# Altium PCB Lombardo_RevB.PcbDoc (part 1 of 2)
Units mil, origin at the board's own origin, x right, y up, seen from the top; angles counter-clockwise.
Board outline 3800 x 2752 mil, 4 copper layers (Top, L2, L3, Bottom), stack 59.694 mil thick; 168 components, 76 nets, 509 pads, 409 vias.
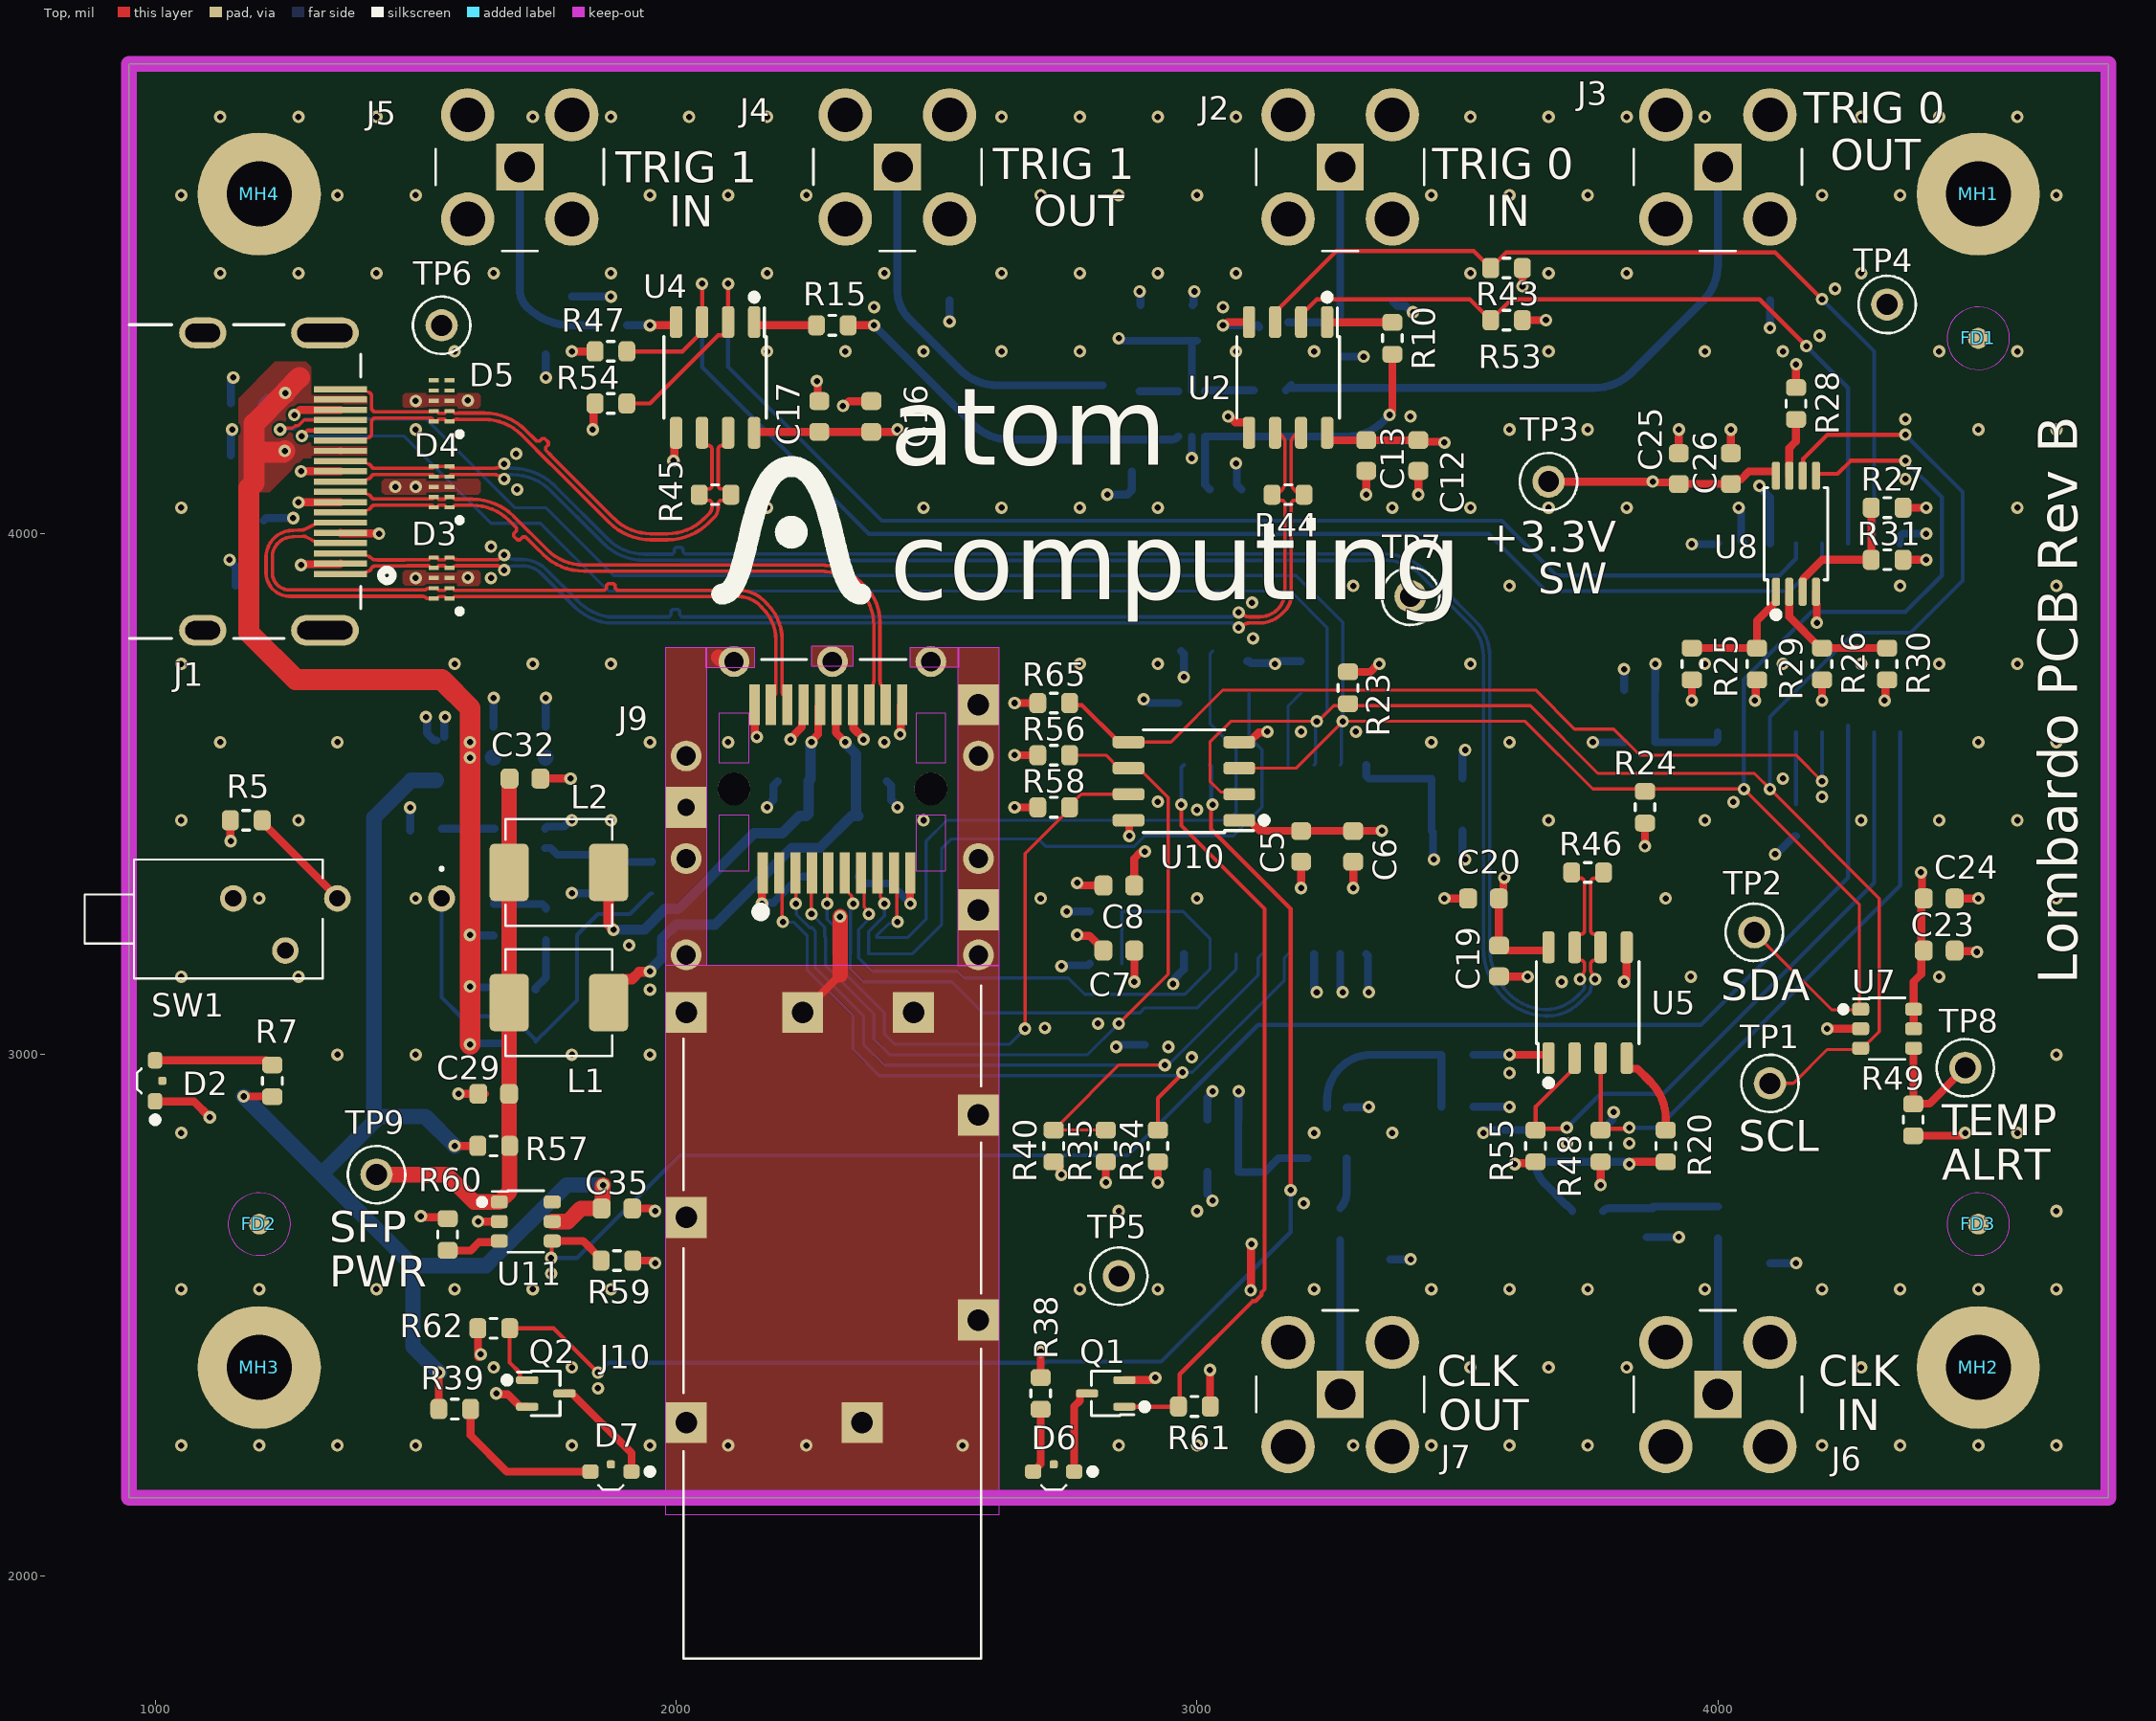
[diagram p0: Top view]
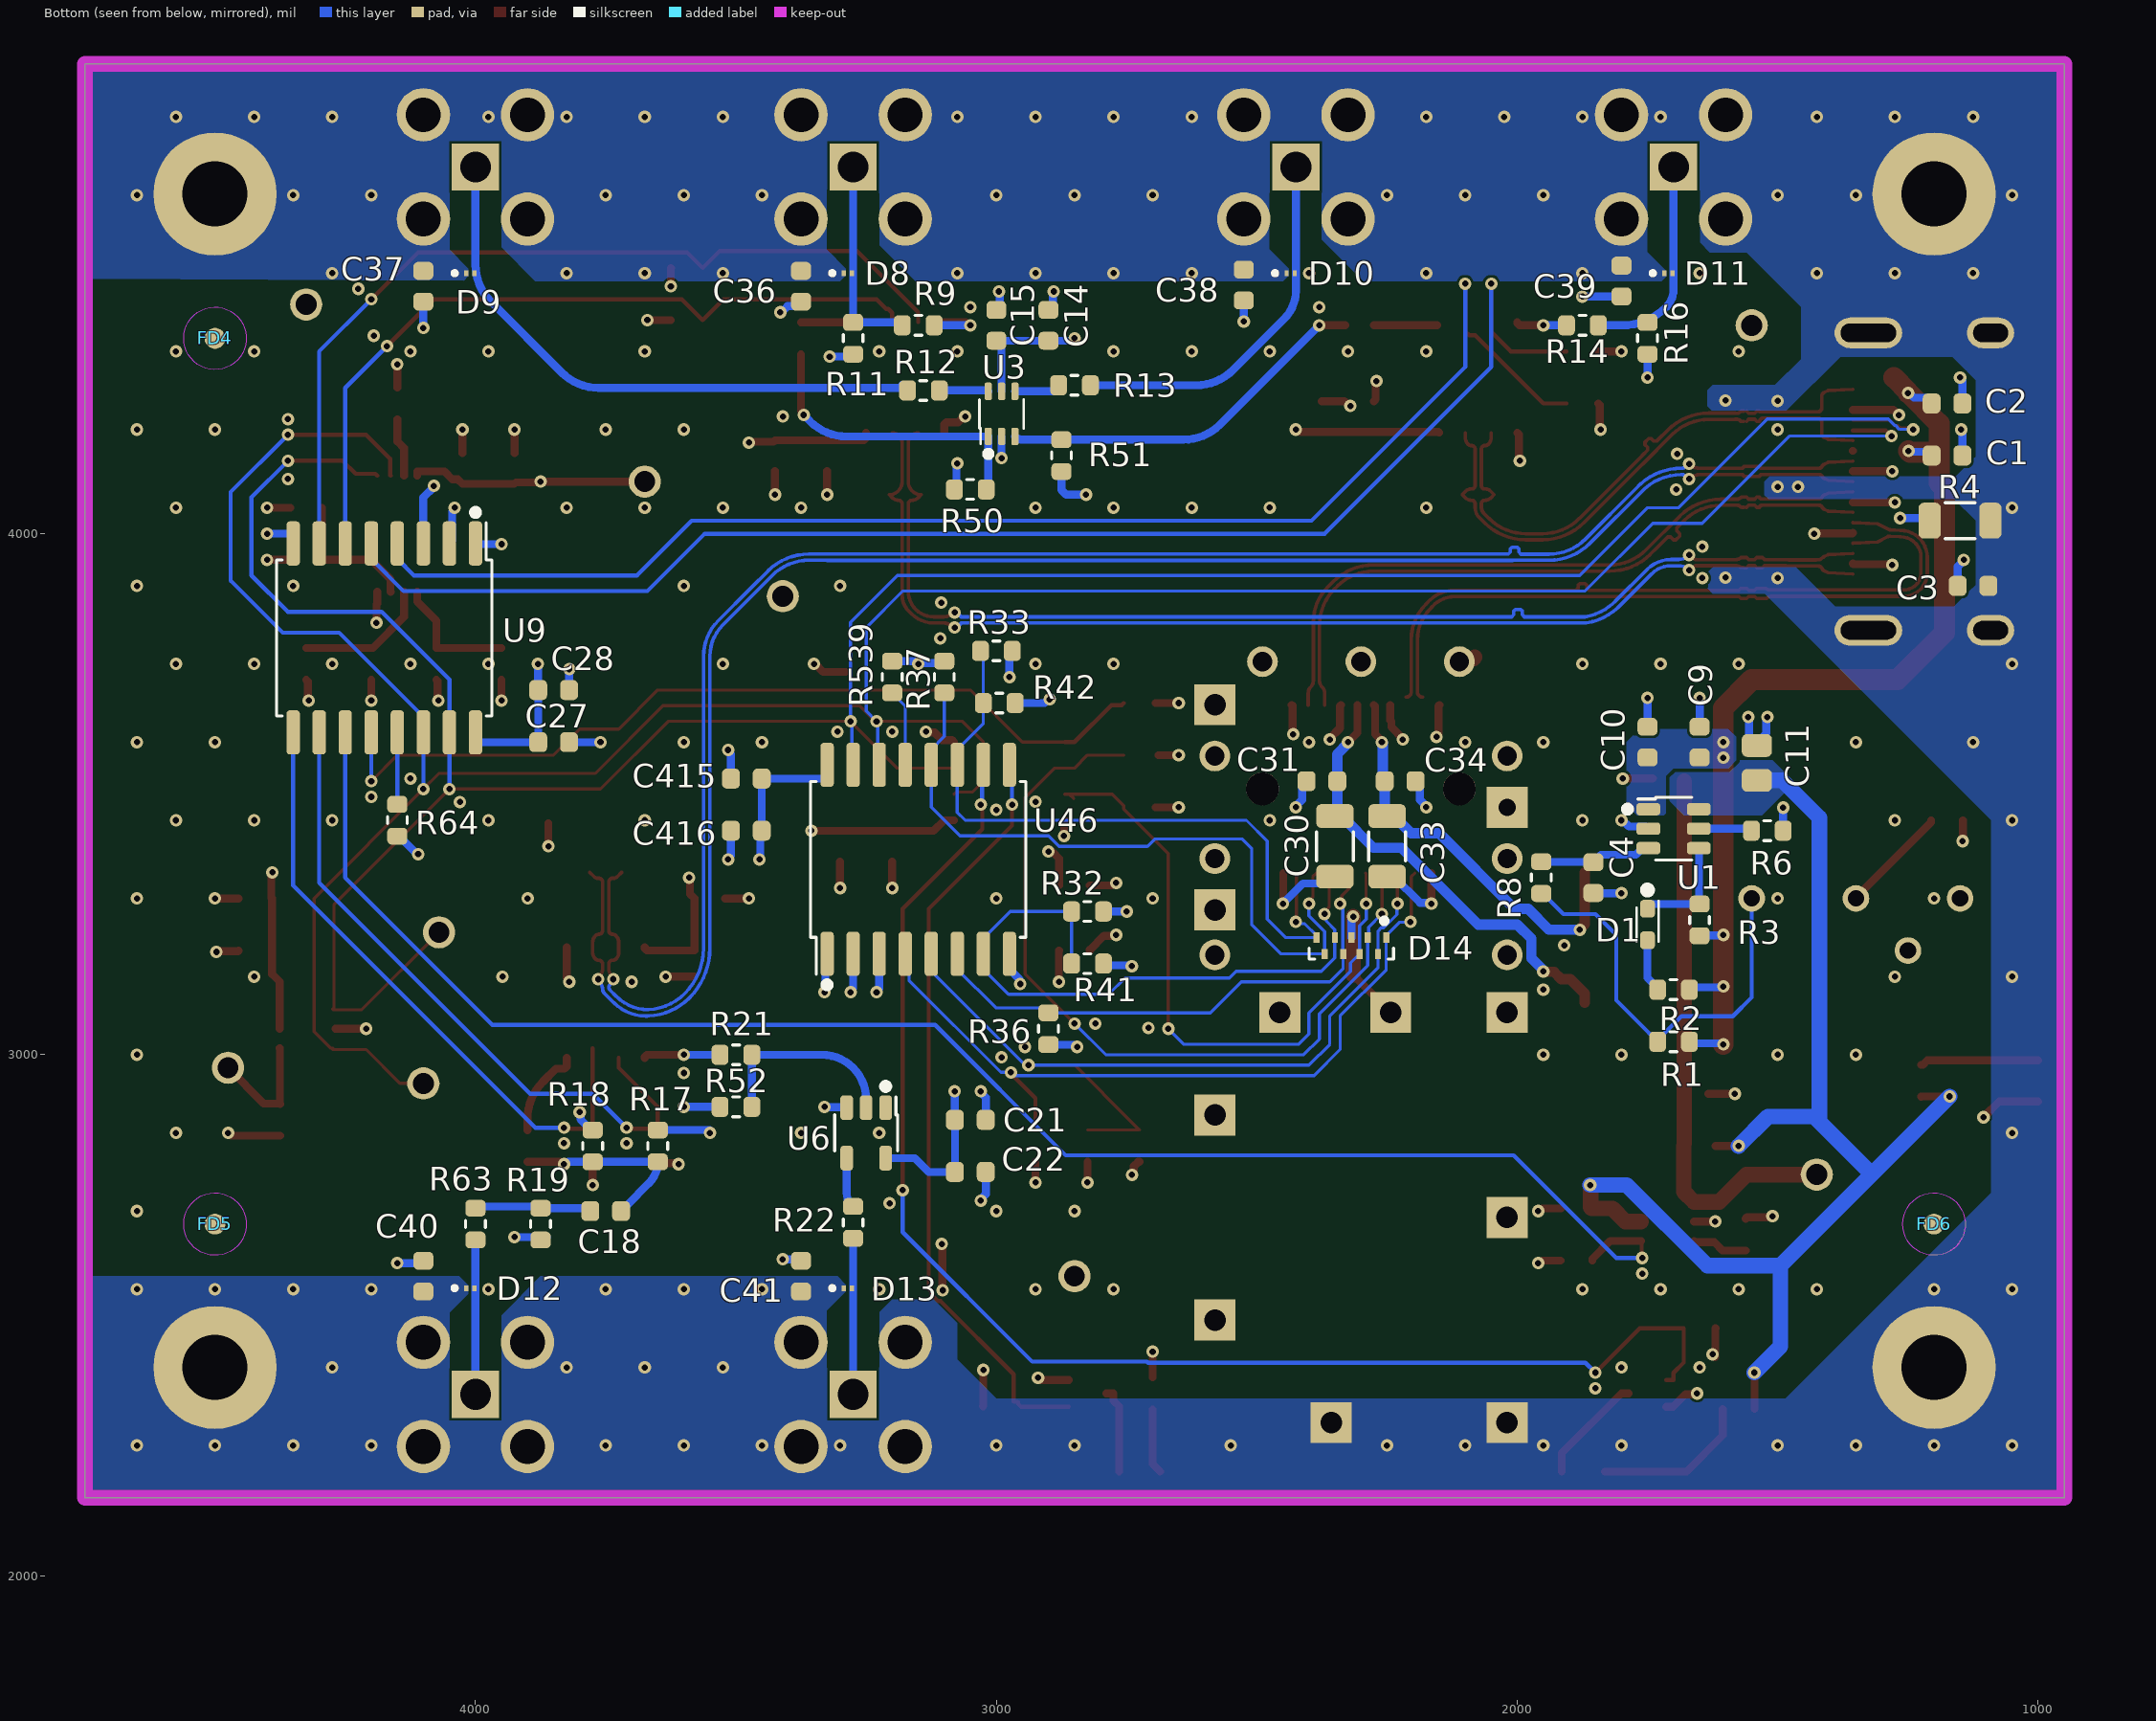
[diagram p1: Bottom view, seen from below]
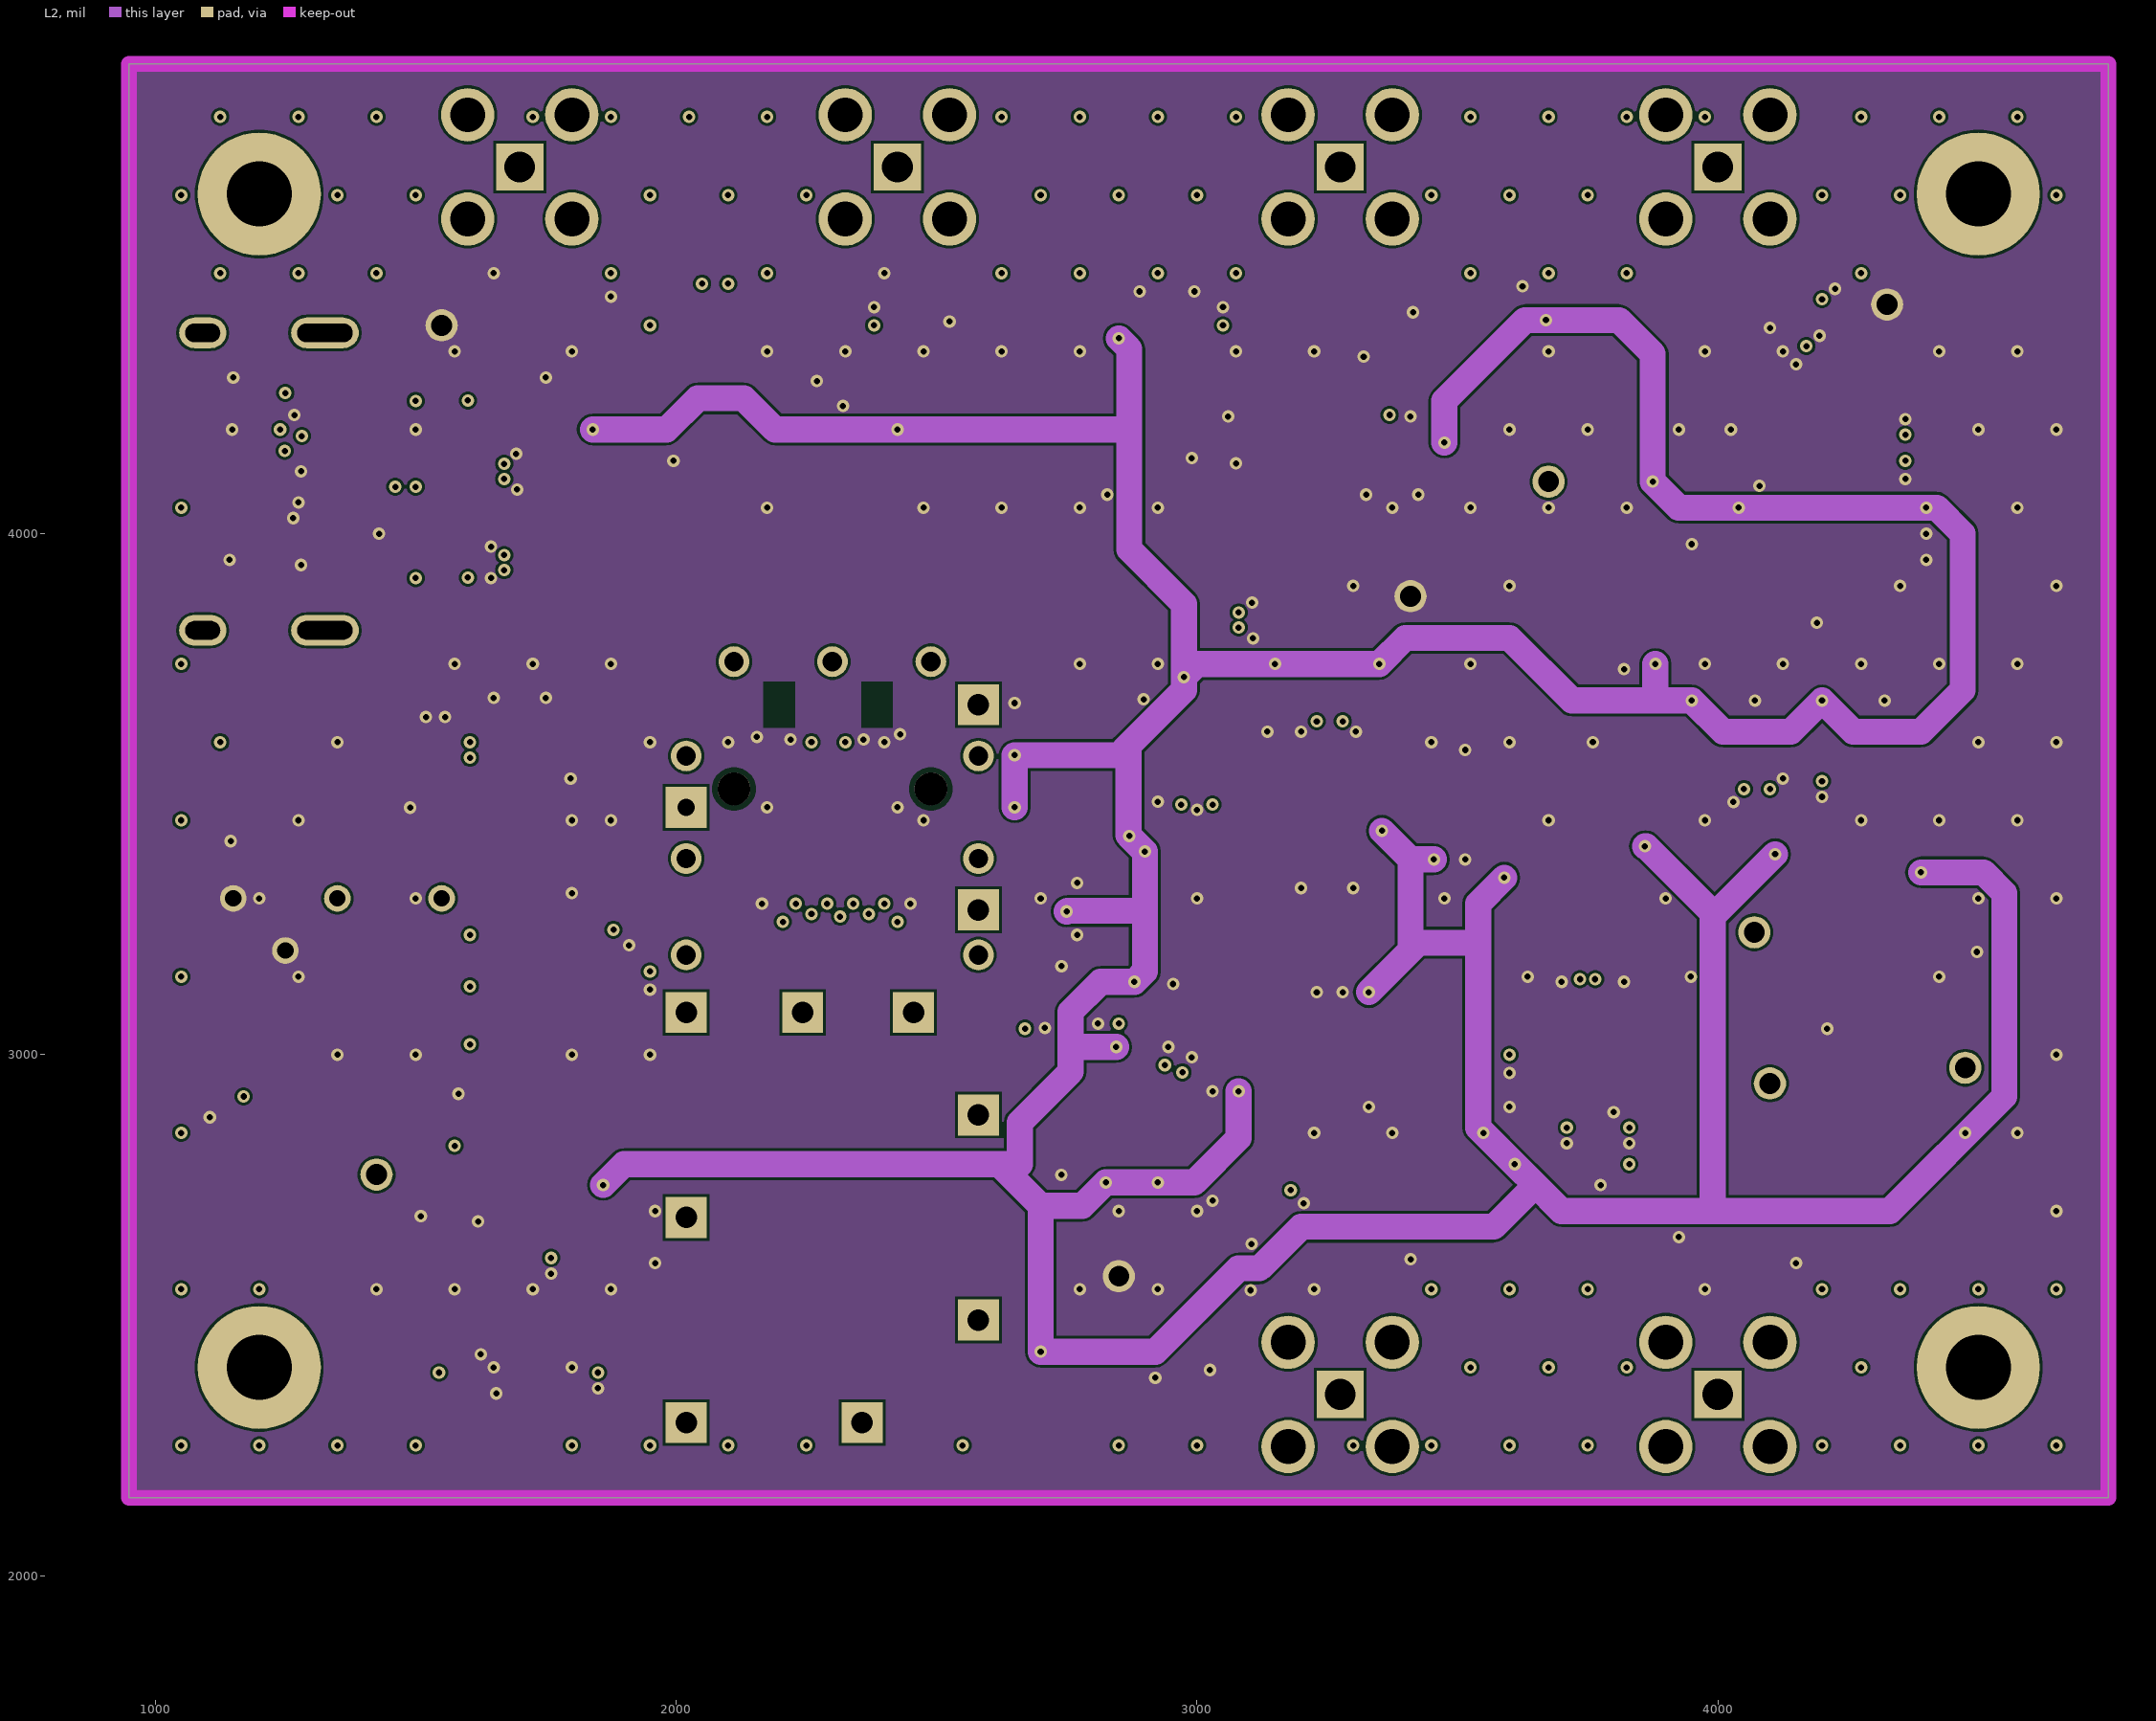
[diagram p2: L2]
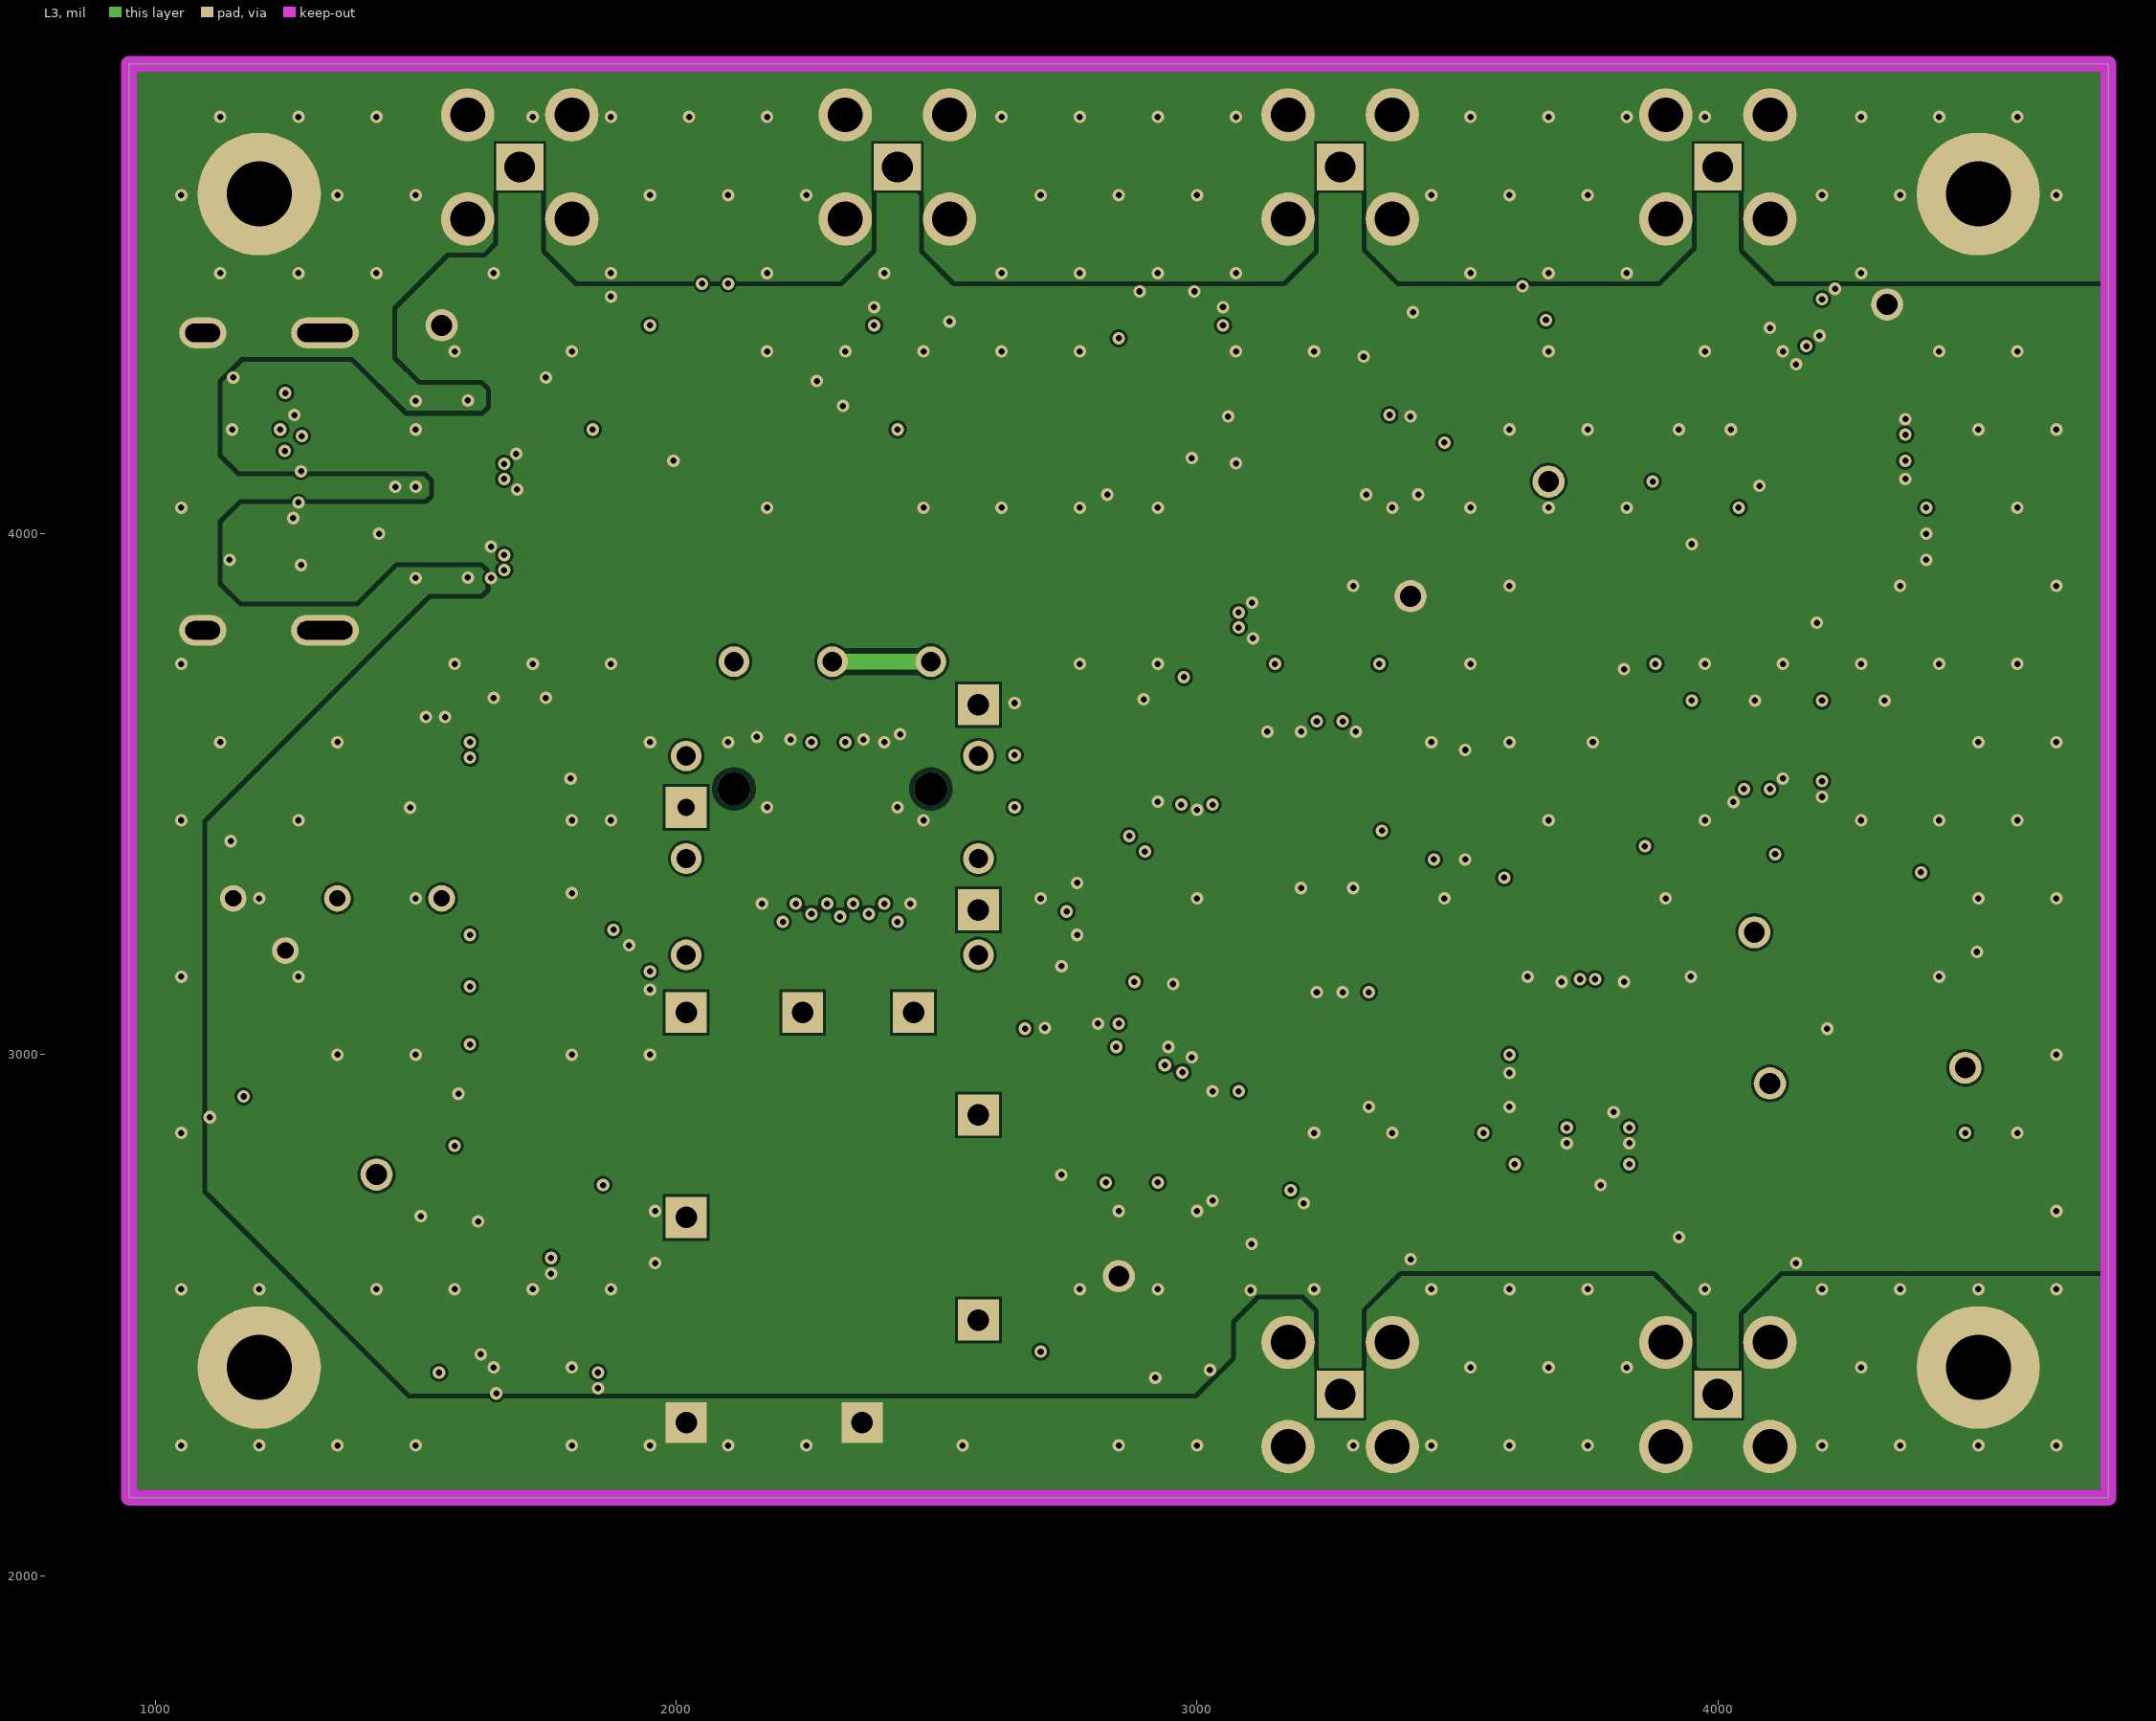
[diagram p3: L3]

## Layer stack, top to bottom
Top Solder: solder mask 1, Solder Resist, Dk 3.6
Top: signal copper 1.701
Prepreg 1: prepreg 7.957, FR408HR, Dk 3.61
L2: signal copper 0.689
Core: core 39, FR408HR, Dk 3.61
L3: signal copper 0.689
Prepreg 2: prepreg 7.957, FR408HR, Dk 3.61
Bottom: signal copper 1.701
Bottom Solder: solder mask 1, Solder Resist, Dk 3.6

## Board outline
950,2150 950,4902 4750,4902 4750,2150

## Design rules (kind name [scope] priority, off if disabled: settings)
BoardOutlineClearance [All] p1: gap=15 ignorepadtopadclearanceinfootprint=FALSE except(10: Track-OutlineEdge Track-CavityEdge Track-CutoutEdge Track-SplitBarrior Track-SplitContinuation Text-OutlineEdge Text-CavityEdge Text-CutoutEdge Text-SplitBarrior Text-SplitContinuation)
Clearance Clearance_GND [InNet('GND') vs InNet('SH_GND')] p1: gap=5 ignorepadtopadclearanceinfootprint=TRUE except(8.5: Arc-Hole Track-Hole; 10: Arc-Fill Arc-Poly Arc-Region Track-Fill Track-Poly Track-Region SMDPad-Hole THPad-Hole Via-Hole Fill-Fill Fill-Poly Fill-Region Fill-Hole Poly-Poly Poly-Region Poly-Hole Region-Region Region-Hole Text-Hole)
Clearance Clearance_SFP [WithinRoom('SFP') vs InNet('SH_GND')] p2: gap=0 ignorepadtopadclearanceinfootprint=TRUE
Clearance Clearance_Keepout [IsKeepOut] p3: gap=0 ignorepadtopadclearanceinfootprint=TRUE
Clearance [All] p4: gap=5 ignorepadtopadclearanceinfootprint=TRUE except(7.5: Fill-Fill Fill-Poly Fill-Region Poly-Poly Poly-Region Region-Region; 8.5: Arc-Hole Track-Hole; 10: SMDPad-Hole THPad-Hole Via-Hole Fill-Hole Poly-Hole Region-Hole Text-Hole)
DiffPairsRouting DiffPairsRouting_100 [InDifferentialPairClass('100DIFF')] p1: maxlimit=5 minlimit=5 mostfreqgap=5 toplayer_minwidth=6.73 toplayer_maxwidth=6.73 toplayer_prefwidth=6.73 bottomlayer_minwidth=6.73 bottomlayer_maxwidth=6.73 bottomlayer_prefwidth=6.73 impedanceprofiledriven=TRUE impedanceprofileid={E8001EA4-636A-4201-888D-844F95585F83} impedanceprofilevalue=100.000000 maxuncoupledlength=1500
FanoutControl Fanout_LCC [IsLCC] p2: bgadir=Out bgaviamode=Closest fanoutstyle=Auto fanoutdirection=Alternating viagrid=1 // Fanout_LCC (Default Rule)
FanoutControl Fanout_SOIC [IsSOIC] p3: bgadir=Out bgaviamode=Closest fanoutstyle=Auto fanoutdirection=Alternating viagrid=1 // Fanout_SOIC (Default Rule)
FanoutControl Fanout_Small [(CompPinCount < 5)] p4: bgadir=Out bgaviamode=Closest fanoutstyle=Auto fanoutdirection=OutThenIn viagrid=1 // Fanout_Small (Default Rule)
FanoutControl Fanout_Default [All] p5: bgadir=Out bgaviamode=Closest fanoutstyle=Auto fanoutdirection=Alternating viagrid=1 // Fanout_Default (Default Rule)
HoleSize [All] p1: absolutevalues=TRUE maxlimit=200 minlimit=10 maxpercent=80.000 minpercent=20.000
MatchedLengths MatchedLengthsSFP [InDifferentialPairClass('100DIFF')] p1: tolerance=2 checknetsindiffpair=TRUE checkdiffpairvsdiffpair=FALSE checkxsignals=FALSE checkothers=FALSE usedelayunits=TRUE delaytolerance=0.400000
MinimumAnnularRing [All] p1: minimumring=4
MinimumSolderMaskSliver [All] p1: minsoldermaskwidth=3
PlaneClearance [All] p1: clearance=10
PlaneConnect [All] p1: pad.planeconnectstyle=Relief pad.reliefexpansion=15 pad.reliefentries=4 pad.reliefconductorwidth=15 pad.reliefairgap=10 via.planeconnectstyle=Direct via.reliefexpansion=20 via.reliefentries=4 via.reliefconductorwidth=10 via.reliefairgap=10
PolygonConnect [All] p1: connectstyle=Direct reliefconductorwidth=10 reliefentries=4 polygonreliefangle="90 Angle" airgapwidth=10
RoutingCorners RoutingCorners_50Ohm [InNetClass('50OHM')] p1: cornerstyle=Round minsetback=100 maxsetback=100
RoutingCorners [All] p2: cornerstyle=45-Degree minsetback=5 maxsetback=100
RoutingTopology [All] p1: topology=Horizontal
RoutingVias [All] p1: holewidth=12 width=24 viastyle="Through Hole" minholewidth=4.92 minwidth=9.84 maxholewidth=12 maxwidth=24
SilkToSilkClearance [All] p1: silktosilkclearance=0
SilkToSolderMaskClearance [IsPad] p1: minsilkscreentomaskgap=0 clearancetoexposedcopper=TRUE
SolderMaskExpansion SolderMaskExpansion_1 [IsVia] p1: expansion=3 istentingtop=TRUE useseparateexpansions=TRUE expansionbottom=3 istentingbottom=FALSE
SolderMaskExpansion [All] p2: expansion=3 istentingtop=FALSE
SupplyNets "Schematic Supply Nets_3" [InNet('+3.3V')] p1: voltage=0.000
SupplyNets "Schematic Supply Nets_2" [InNet('GND')] p2: voltage=0.000
SupplyNets "Schematic Supply Nets_1" [InNet('SH_GND')] p3: voltage=0.000
SupplyNets "Schematic Supply Nets" [InNet('+3.3V_SW')] p4: voltage=0.000
UnRoutedNet [All] p1: checkbadconnections=TRUE
Width Width_50Ohm [InNetClass('50OHM')] p1: maxlimit=15.38 minlimit=12.5 preferedwidth=15.38 toplayer_minwidth=15.33 toplayer_maxwidth=15.33 toplayer_prefwidth=15.33 bottomlayer_minwidth=15.33 bottomlayer_maxwidth=15.33 bottomlayer_prefwidth=15.33 impedanceprofiledriven=TRUE impedanceprofileid={FB91354F-0AC2-423B-8EE4-259C647367C0} impedanceprofilevalue=50.000000 minimp=50.000000 maximp=50.000000 favimp=50.000000